# Altium PCB SysUprTestUUUp.PcbDoc (part 1 of 4)
Units mm, origin at the board's own origin, x right, y up, seen from the top; angles counter-clockwise.
Board outline 140.1 x 94.7 mm, 4 copper layers (Top Layer, Mid-Layer 1, Mid-Layer 2, Bottom Layer), stack 1.572 mm thick; 296 components, 295 nets, 1339 pads, 437 vias.
Unrouted connection lines stored in the file: 160.
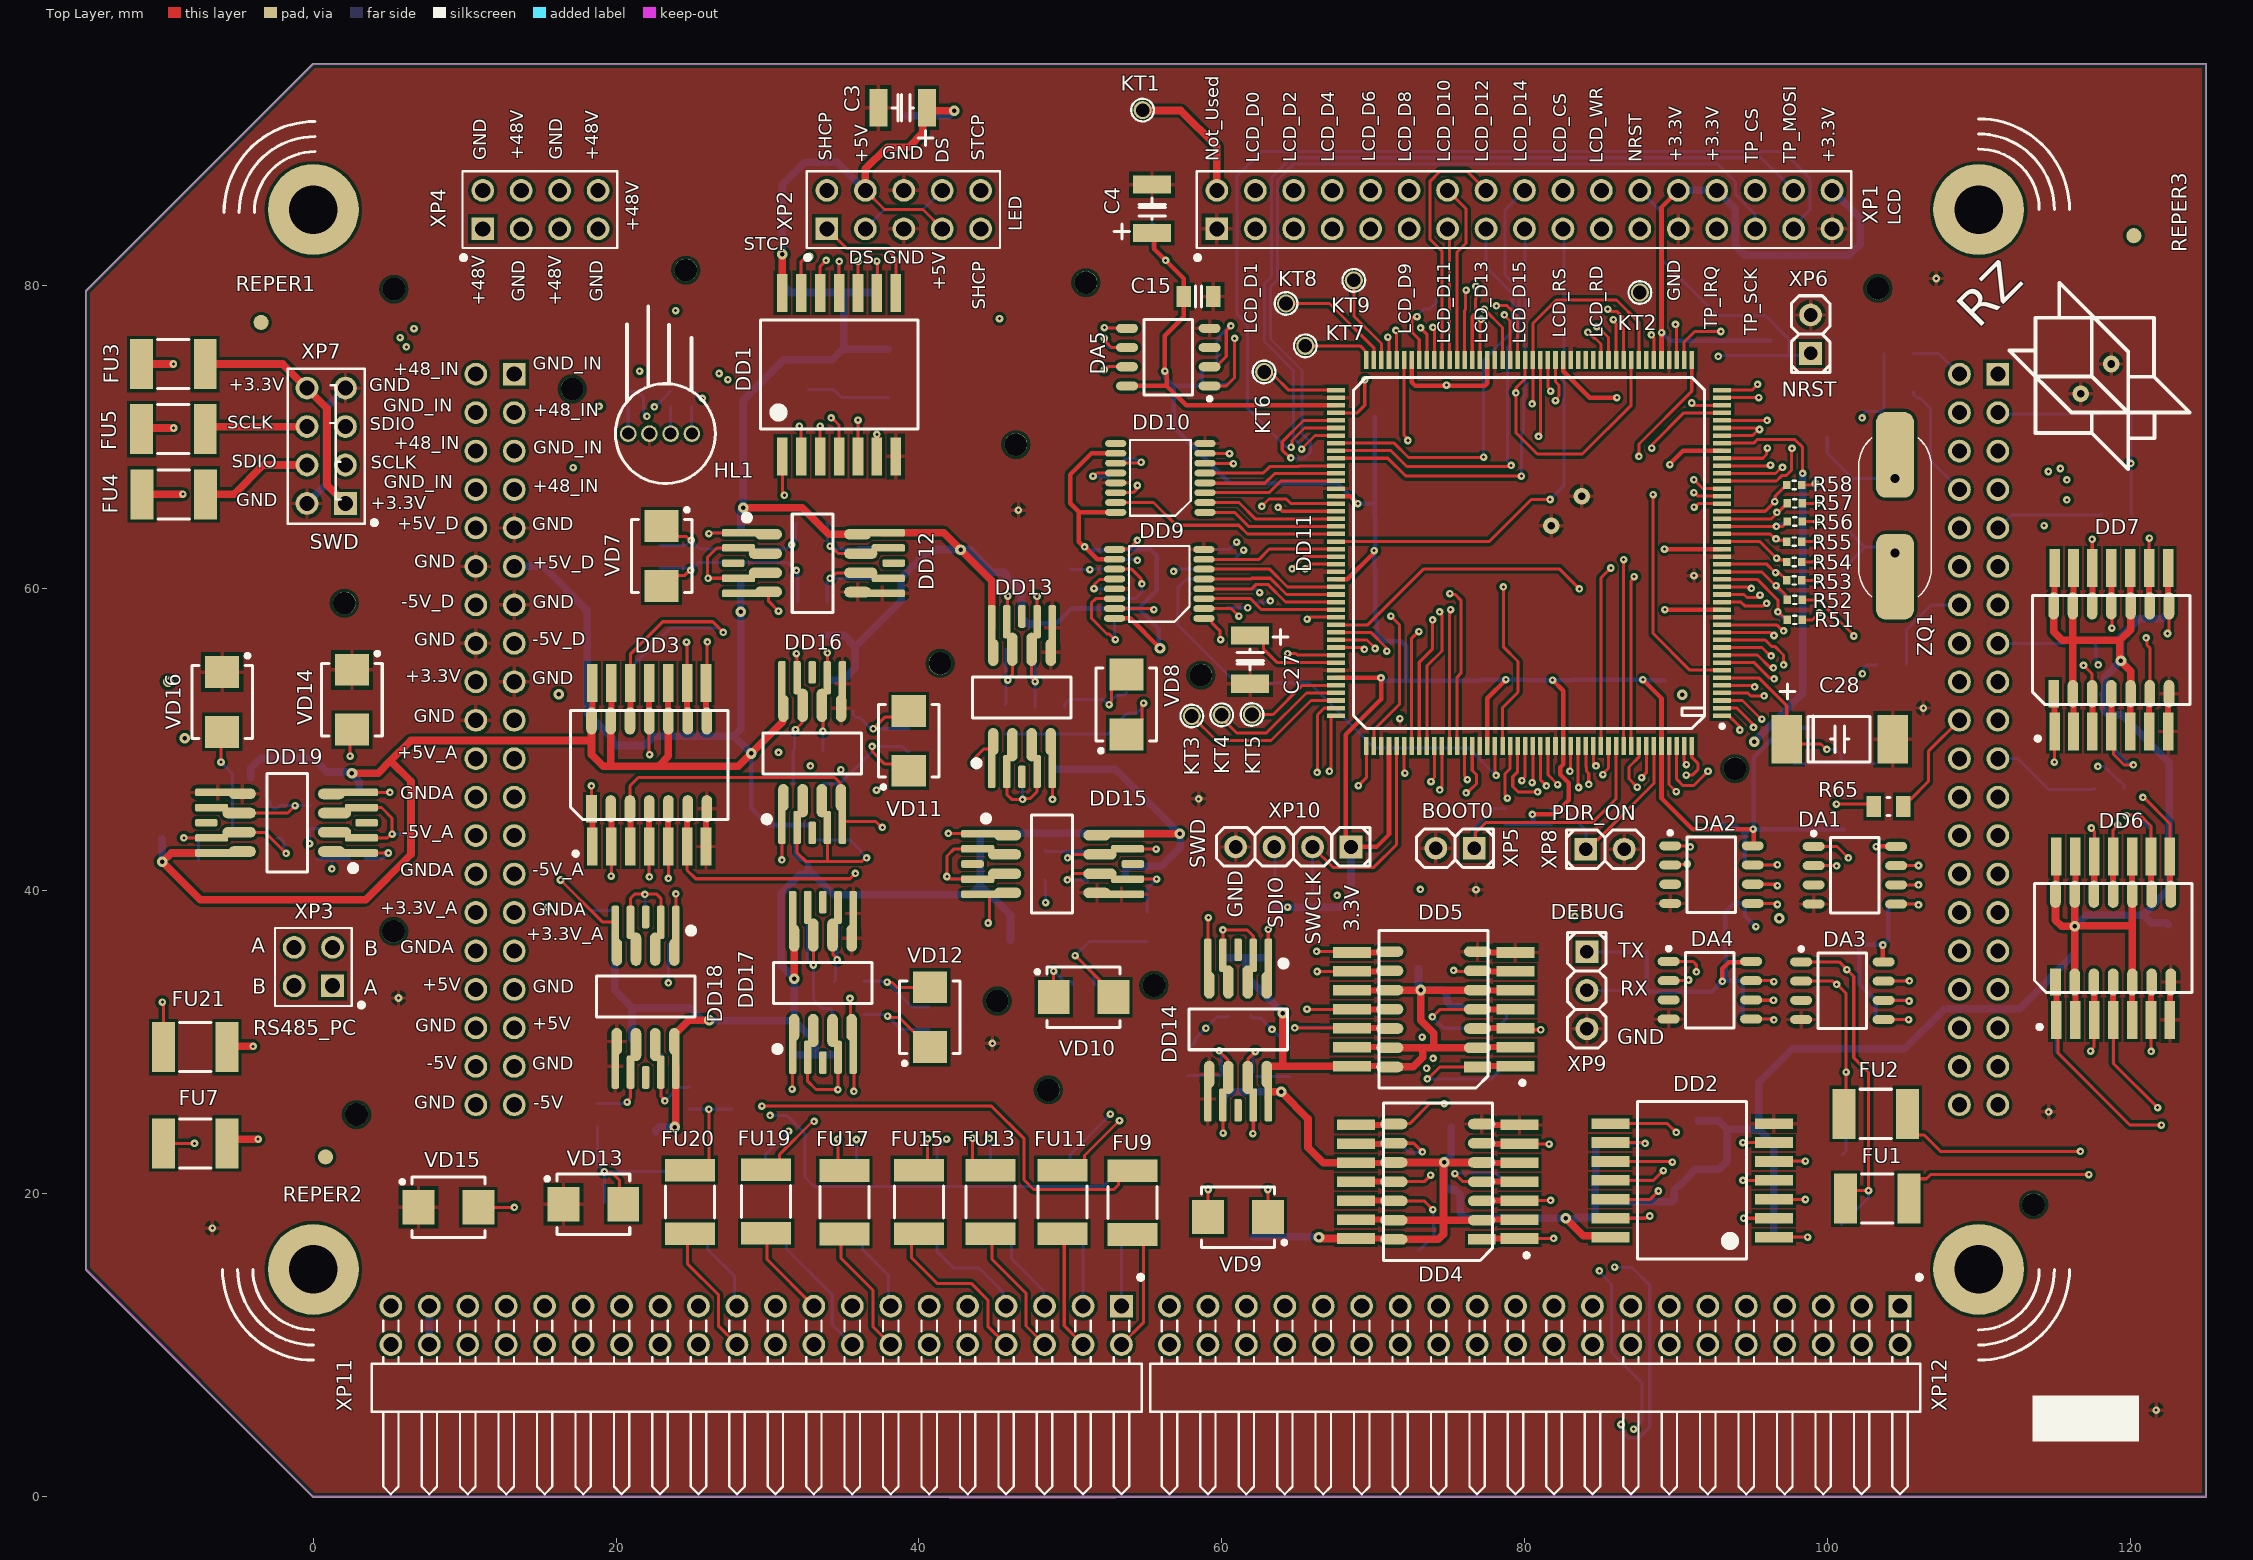
[diagram p0: Top Layer view]
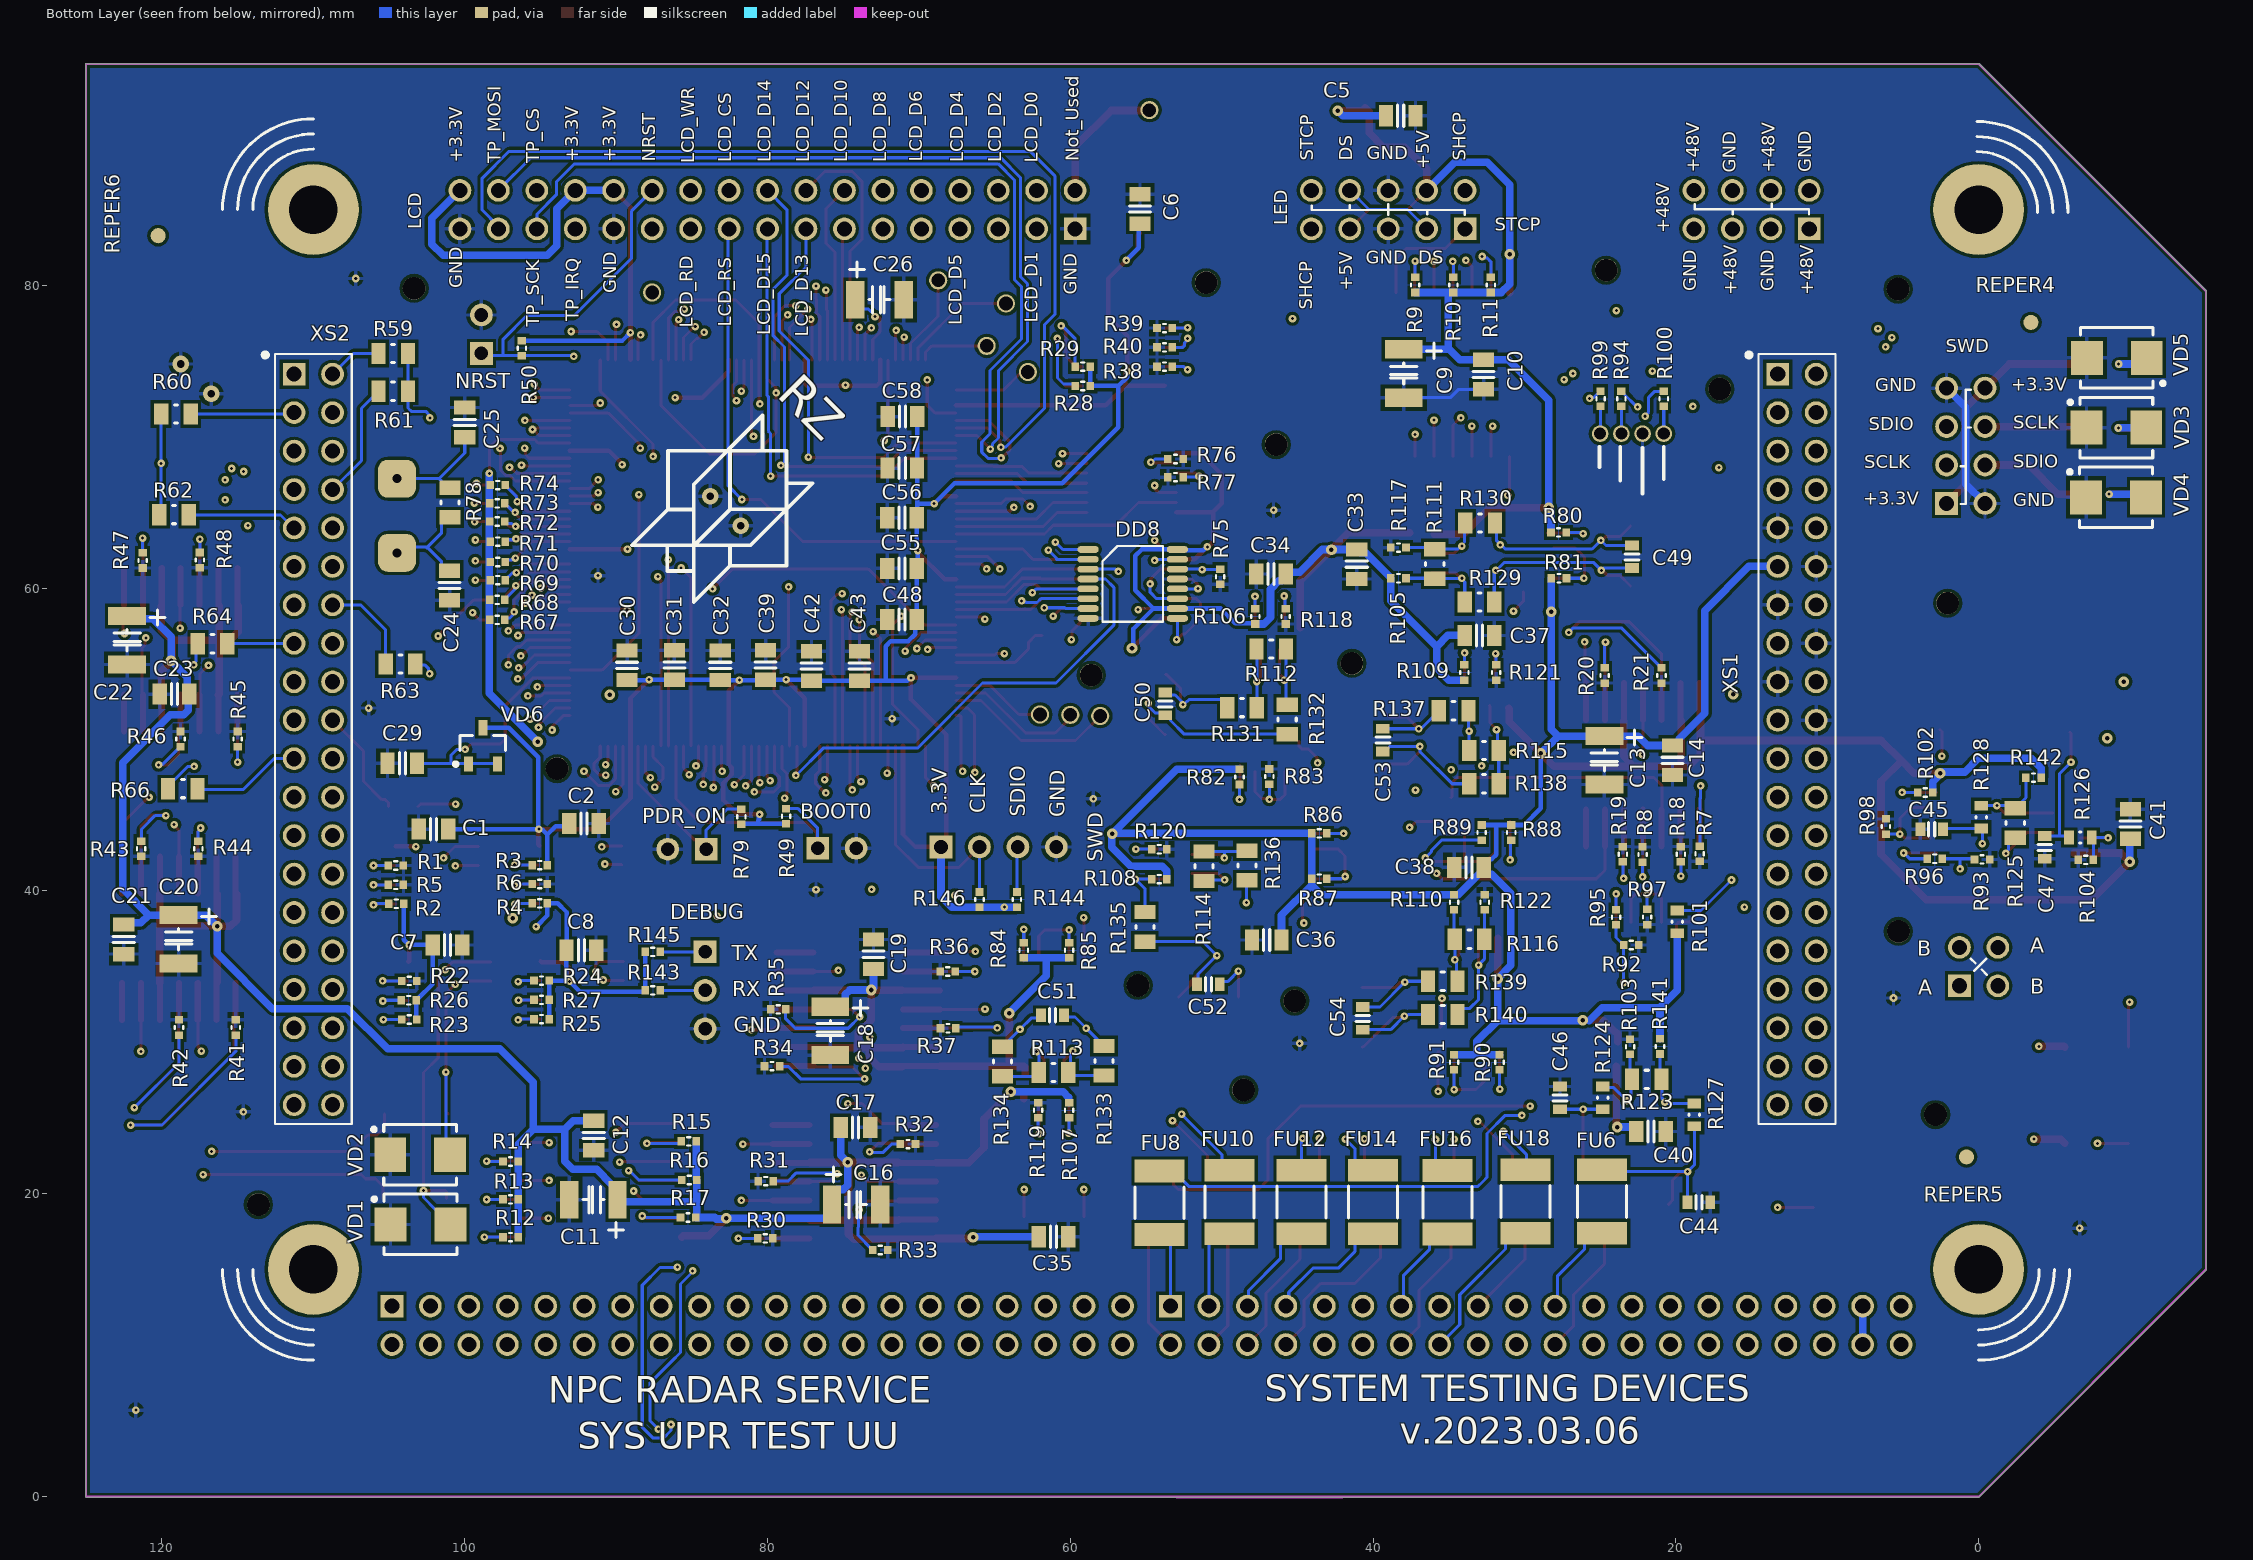
[diagram p1: Bottom Layer view, seen from below]
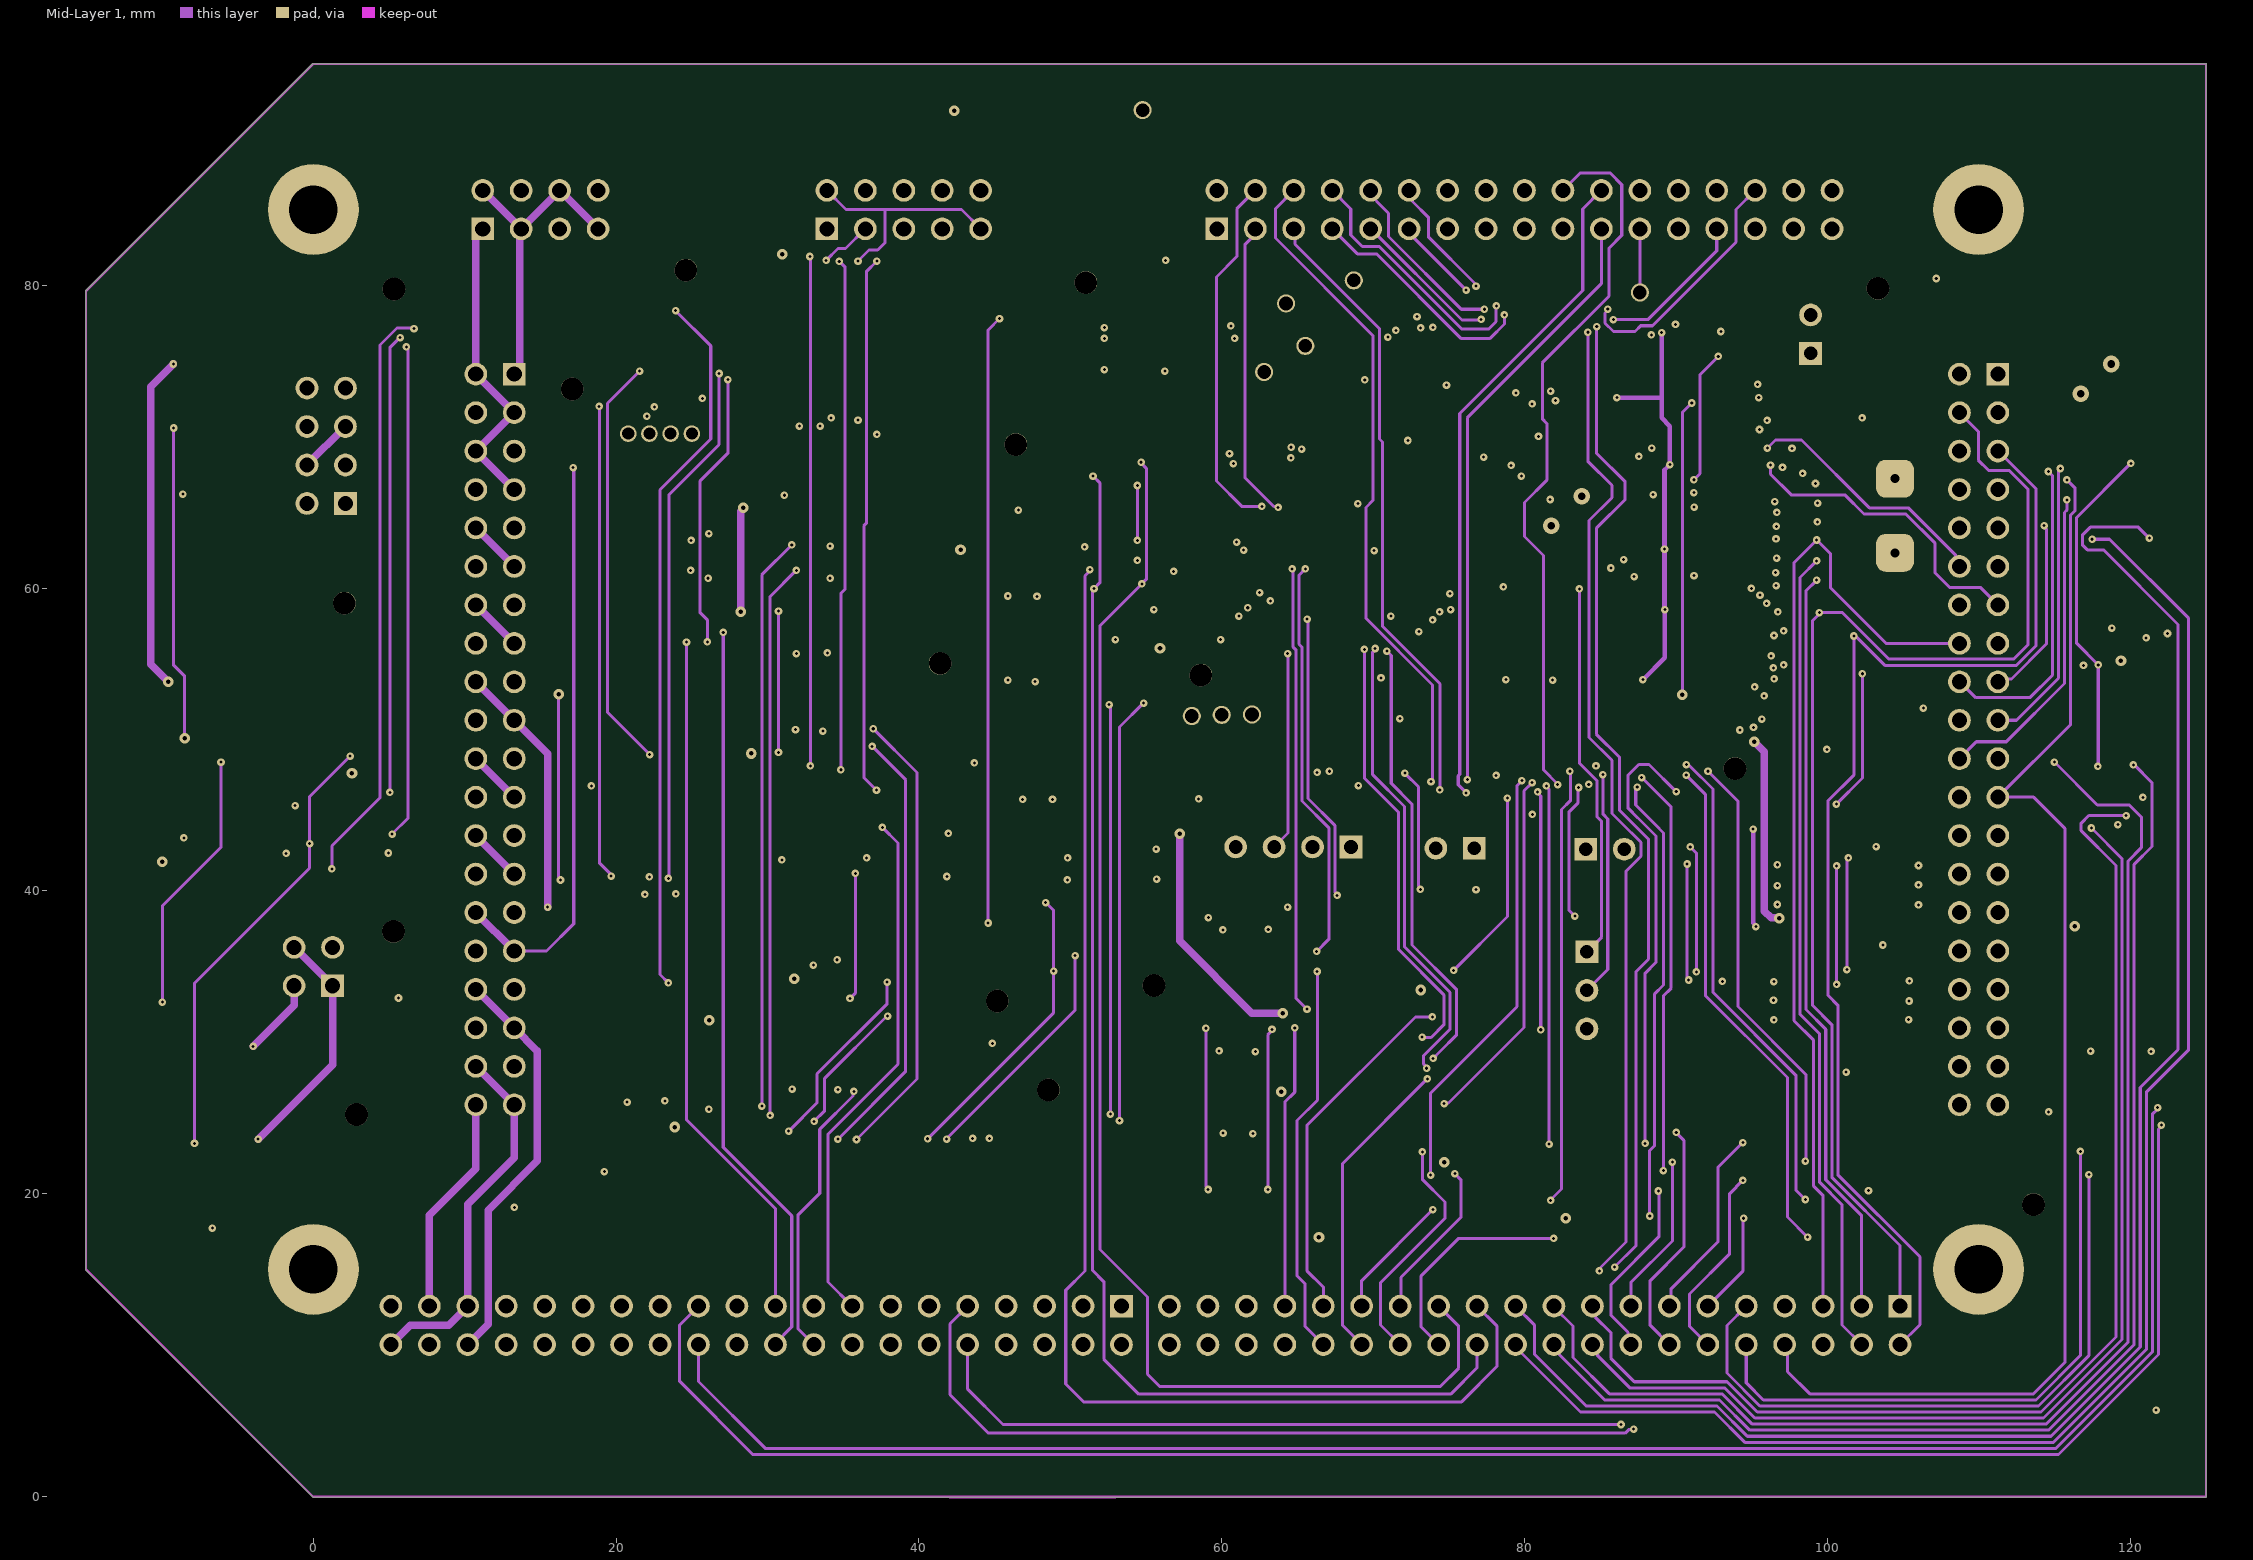
[diagram p2: Mid-Layer 1]
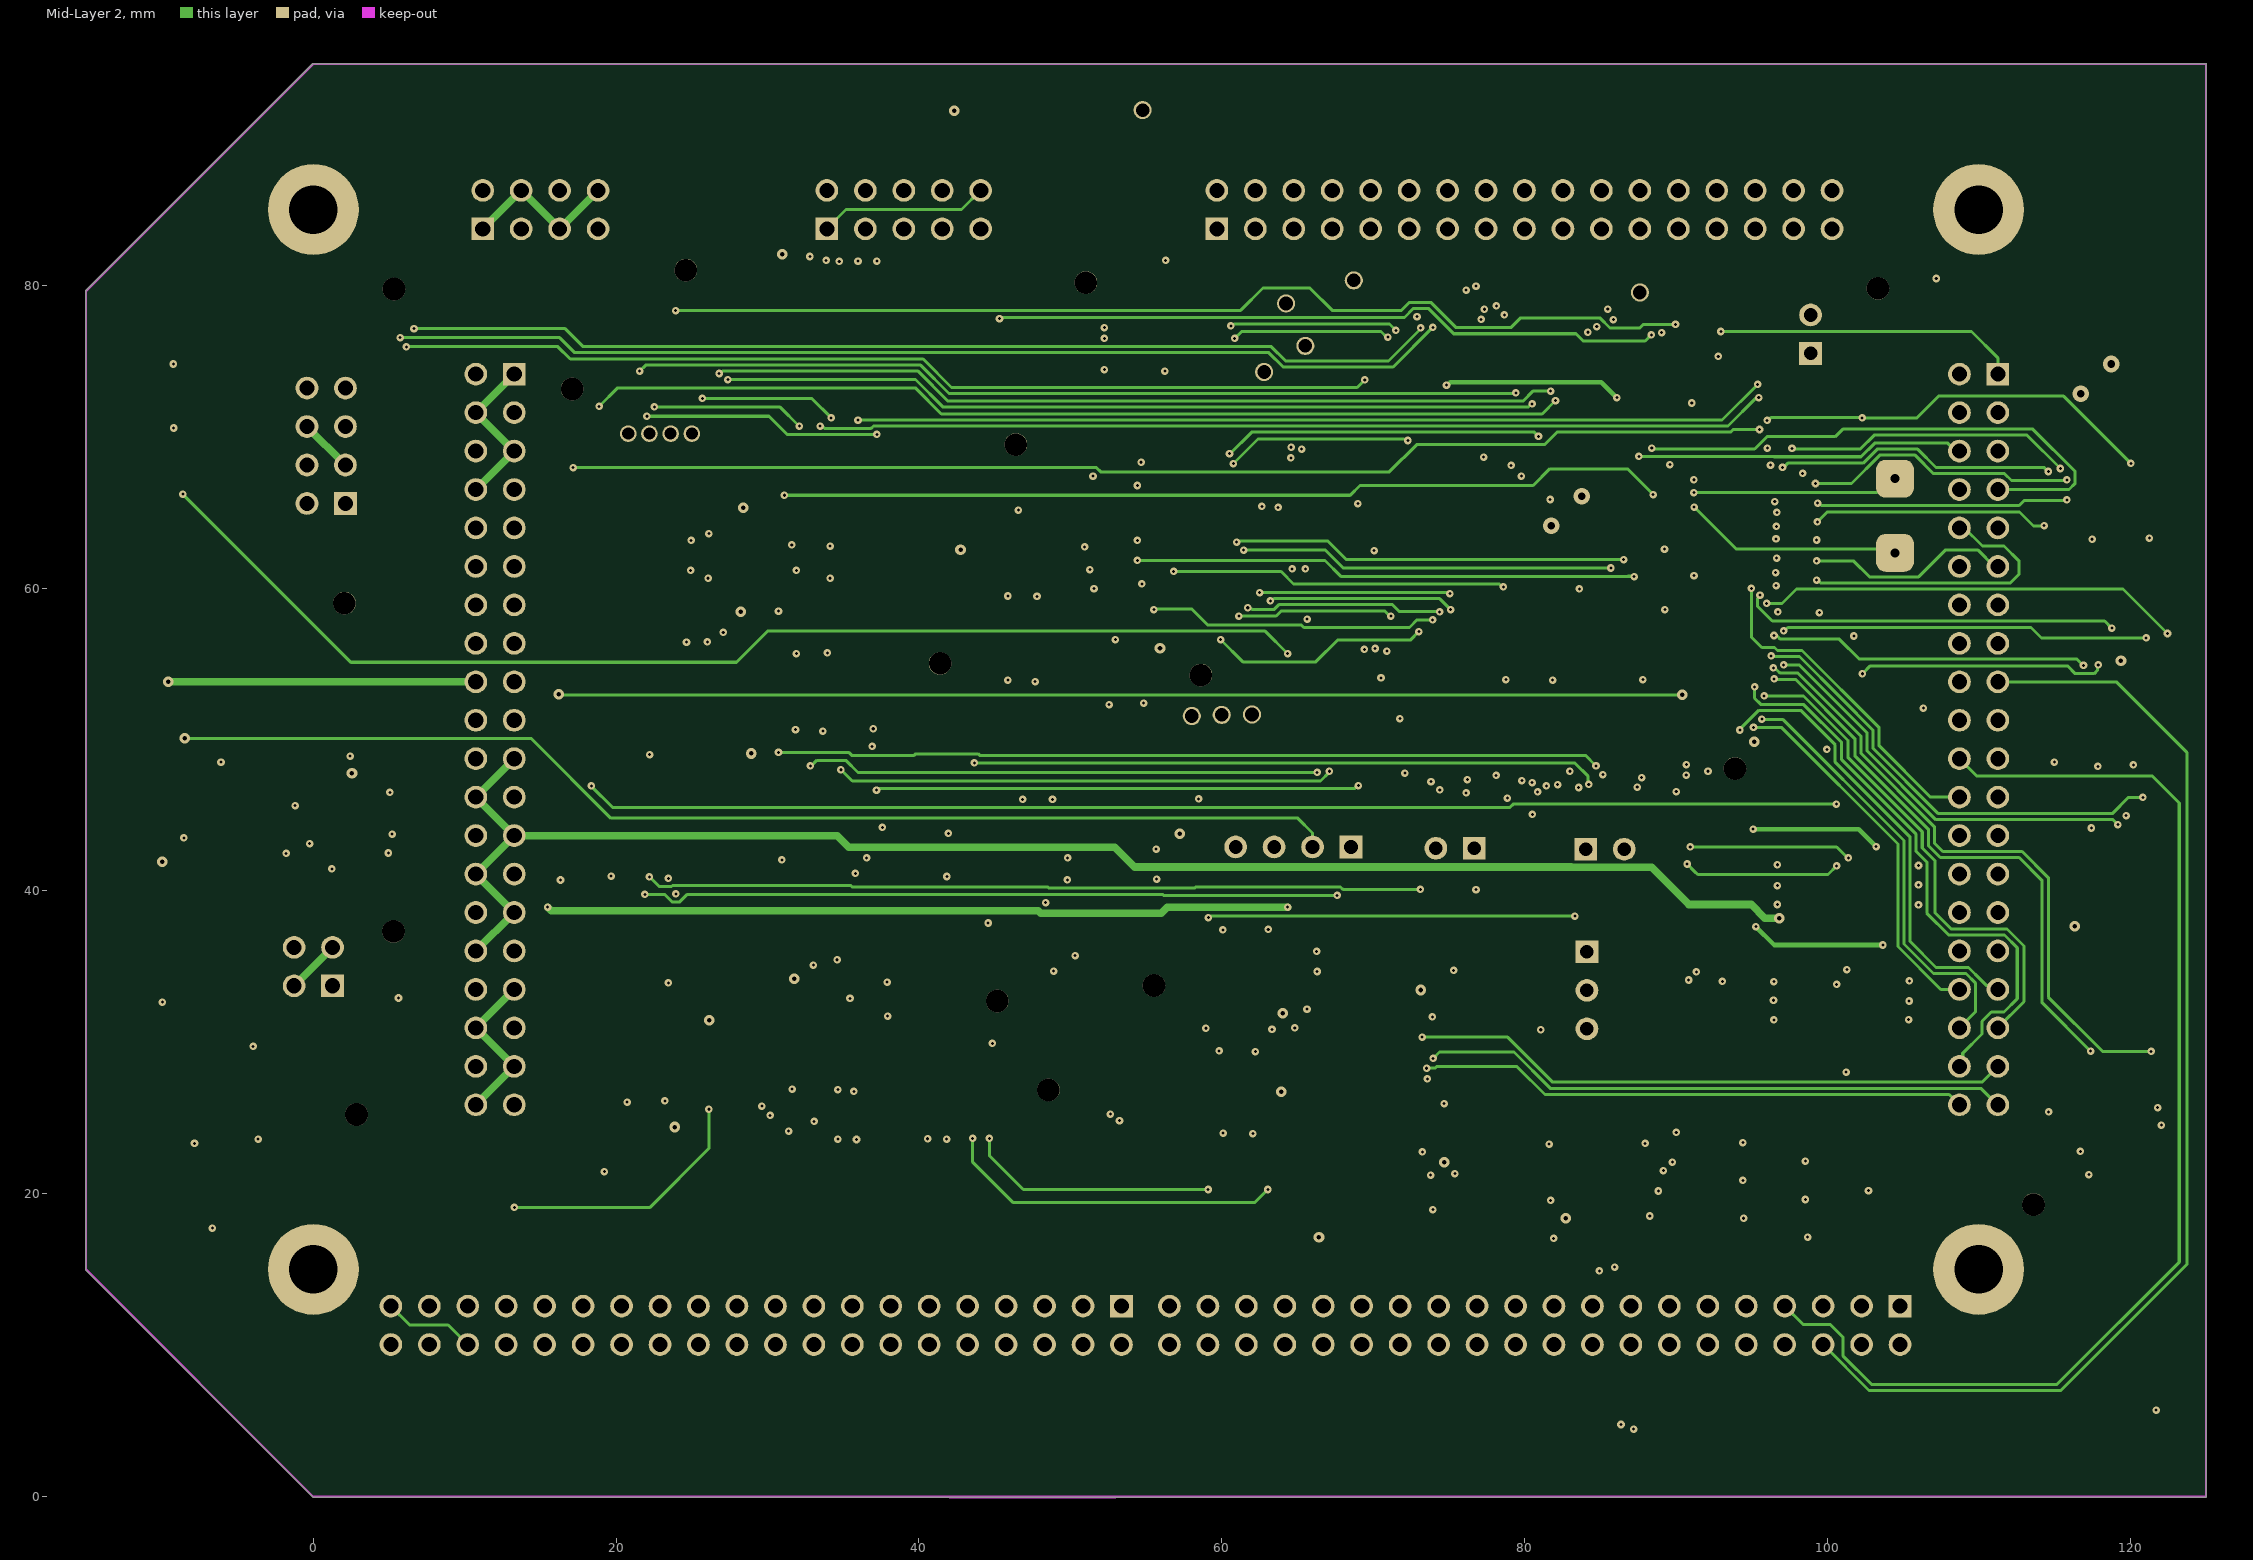
[diagram p3: Mid-Layer 2]

## Layer stack, top to bottom
Top Solder: solder mask 0.0102, Solder Resist, Dk 3.5
Top Layer: signal copper 0.018
Dielectric 1: dielectric 0.5, FR-4, Dk 4.8
Mid-Layer 1: signal copper 0.018
Dielectric2: dielectric 0.5, FR-4, Dk 4.8
Mid-Layer 2: signal copper 0.018
Dielectric3: dielectric 0.5, FR-4, Dk 4.8
Bottom Layer: signal copper 0.018
Bottom Solder: solder mask 0.0102, Solder Resist, Dk 3.5

## Board outline
-15.035,14.964 cw(c-15,15) -15.05,15 -15.05,79.6 cw(c-15,79.6) -15.035,79.636 -15.036,79.636 -0.035,94.636 -0.036,94.635 cw(c0,94.6) 0,94.65 125,94.65 cw(c125,94.6) 125.05,94.6 cw(c125,94.6) 125.049,94.588 cw(c125,94.575) 125.05,94.575 125.05,0.001 125.05,0 cw(c125,0) 125,-0.05 0,-0.05 cw(c0,0) -0.036,-0.035 -0.036,-0.036

## Design rules (kind name [scope] priority, off if disabled: settings)
Clearance "2_Clearance REP" [InComponent('REP1')or InComponent('REP2') or InComponent('REP3') or InComponent('REP4') or InComponent('REP5')or InComponent('REP6') vs InPoly] p1: gap=1 ignorepadtopadclearanceinfootprint=FALSE
Clearance 1Clearance [All] p2: gap=0.2 ignorepadtopadclearanceinfootprint=FALSE
PolygonConnect [All] p1: connectstyle=Relief reliefconductorwidth=0.254 reliefentries=4 polygonreliefangle="90 Angle" airgapwidth=0.254
RoutingVias [All] p1: holewidth=0.3 width=0.7 viastyle="Through Hole" minholewidth=0.2 minwidth=0.5 maxholewidth=0.5 maxwidth=1.1
SolderMaskExpansion [All] p1: expansion=0.102 istentingtop=FALSE
Width [All] p1: maxlimit=0.5 minlimit=0.2 preferedwidth=0.3
30 further rules are at their usual default settings.

## Components (designator, comment, footprint, x,y, rotation, side; value= is the part's Value field where it differs from the comment)
C1 "Capacitor" Cap0805 102.075,44.076 r90 bottom value=0,1мкФ
C2 "Capacitor" Cap0805 92.125,44.45 r270 bottom value=0,1мкФ
C3 "PolCap" CapCaseB 38.925,91.725 r90 top value=4,7мк
C4 "PolCap" CapCaseB 55.4,85.05 r0 top value=4,7мк
C5 "Capacitor" Cap0805 38.175,91.2 r90 bottom value=0,1мк
C6 "Capacitor" Cap0805 55.4,85.05 r0 bottom value=0,1мк
C7 "Capacitor" Cap0805 101.15,36.426 r270 bottom value=0,1мкФ
C8 "Capacitor" Cap0805 92.3,36.075 r270 bottom value=0,1мкФ
C9 "PolCap" CapCaseB 37.975,74.175 r0 bottom value=4,7мк
C10 "Capacitor" Cap0805 32.7,74.1 r180 bottom value=0,1мк
C11 "PolCap" CapCaseB 91.5,19.6 r90 bottom value=4,7мк
C12 "Capacitor" Cap0805 91.475,23.85 r180 bottom value=0,1мк
C13 "PolCap" CapCaseB 24.725,48.625 r0 bottom value=4,7мк
C14 "Capacitor" Cap0805 20.225,48.625 r180 bottom value=0,1мк
C15 "Capacitor" Cap0805 58.475,79.259 r270 top value=0,1мкФ
C16 "PolCap" CapCaseB 74.15,19.275 r270 bottom value=4,7мк
C17 "Capacitor" Cap0805 74.2,24.375 r90 bottom value=0,1мк
C18 "PolCap" CapCaseB 75.854,30.75 r0 bottom value=4,7мк
C19 "Capacitor" Cap0805 73,35.813 r0 bottom value=0,1мк
C20 "PolCap" CapCaseB 118.9,36.8 r0 bottom value=4,7мк
C21 "Capacitor" Cap0805 122.525,36.8 r180 bottom value=0,1мк
C22 "PolCap" CapCaseB 122.3,56.55 r0 bottom value=4,7мк
C23 "Capacitor" Cap0805 119.175,52.996 r270 bottom value=0,1мк
C24 "Capacitor" Cap0805 101,60.175 r0 bottom value=16
C25 "Capacitor" Cap0805 100,70.95 r180 bottom value=16
C26 "PolCap" CapCaseB 72.6,79.05 r270 bottom value=2,2мк
C27 "PolCap" CapCaseB 61.875,55.275 r180 top value=2,2мк
C28 "PolCap" CapCaseD 100.825,50.025 r270 top value=330мк
C29 "Capacitor" Cap0805 104.125,48.425 r90 bottom value=0,1мкФ
C30 "Capacitor" Cap0805 89.275,54.9 r180 bottom value=0,1мк
C31 "Capacitor" Cap0805 86.15,54.925 r180 bottom value=0,1мк
C32 "Capacitor" Cap0805 83.125,54.9 r180 bottom value=0,1мк
C33 "Capacitor" Cap0805 41.075,61.575 r180 bottom value=0,1мк
C34 "Capacitor" Cap0805 46.75,60.925 r270 bottom value=0,1мк
C35 "Capacitor" Cap0805 61.1,17.15 r90 bottom value=0,1мк
C36 "Capacitor" Cap0805 47.025,36.75 r270 bottom value=0,1мк
C37 "Capacitor" Cap0805 32.975,56.871 r90 bottom value=0,1мк
C38 "Capacitor" Cap0805 33.675,41.55 r270 bottom value=0,1мк
C39 "Capacitor" Cap0805 80.125,54.925 r180 bottom value=0,1мк
C40 "Capacitor" Cap0805 21.65,24.1 r270 bottom value=0,1мк
C41 "Capacitor" Cap0805 -10.025,44.425 r180 bottom value=0,1мк
C42 "Capacitor" Cap0805 77.1,54.85 r180 bottom value=0,1мк
C43 "Capacitor" Cap0805 73.925,54.85 r180 bottom value=0,1мк
C44 "Capacitor" Cap0603 18.475,19.425 r270 bottom value=10
C45 "Capacitor" Cap0603 3.1,44.075 r90 bottom value=10
C46 "Capacitor" Cap0603 27.65,26.325 r180 bottom value=10
C47 "Capacitor" Cap0603 -4.371,42.875 r0 bottom value=10
C48 "Capacitor" Cap0805 71.125,57.925 r90 bottom value=0,1мк
C49 "Capacitor" Cap0603 22.9,62.066 r180 bottom value=10
C50 "Capacitor" Cap0603 53.725,52.35 r0 bottom value=10
C51 "Capacitor" Cap0603 61.175,31.775 r90 bottom value=10
C52 "Capacitor" Cap0603 50.883,33.825 r270 bottom value=10
C53 "Capacitor" Cap0603 39.35,49.959 r0 bottom value=10
C54 "Capacitor" Cap0603 40.679,31.579 r0 bottom value=10
C55 "Capacitor" Cap0805 71.125,61.3 r90 bottom value=0,1мк
C56 "Capacitor" Cap0805 71.125,64.65 r90 bottom value=0,1мк
C57 "Capacitor" Cap0805 71.1,67.925 r90 bottom value=0,1мк
C58 "Capacitor" Cap0805 71.075,71.325 r90 bottom value=0,01мк
DA1 "LM75AD" SO8 101.825,41.032 r0 top
DA2 "LM75AD" SO8 92.35,41.072 r0 top
DA3 "LM75AD" SO8 101,33.404 r0 top
DA4 "LM75AD" SO8 92.246,33.434 r0 top
DA5 "LM75AD" SO8 56.475,75.255 r180 top
DD1 "1533LN1" 401.14-5 34.725,74.1 r90 top
DD2 "1533LN1" 401.14-5 91.075,20.875 r180 top
DD3 "1554LI1" 401.14-5_SO14#1 22.185,48.325 r90 top
DD4 "1554LI1" 401.14-5_SO14#2 74.273,20.788 r180 top
DD5 "1554LI1" 401.14-5_SO14#2 74,32.178 r180 top
DD6 "1554LI1" 401.14-5_SO14#2 118.885,36.875 r90 top
DD7 "1554LI1" 401.14-5_SO14#2 118.765,55.925 r90 top
DD8 "74HC595" TSSOP16 55.875,60.275 r180 bottom
DD9 "74HC595" TSSOP16 55.875,60.275 r180 top
DD10 "74HC595" TSSOP16 55.95,67.275 r180 top
DD11 "STM32F407IGT6" LQFP176 80.3,62.325 r180 top
DD12 "5559IN10U" H02.8-1B_SOIC8 33.034,61.75 r0 top
DD13 "5559IN10U" H02.8-1B_SOIC8 46.705,52.829 r90 top
DD14 "5559IN10U" H02.8-1B_SOIC8 61.184,30.804 r270 top
DD15 "5559IN10U" H02.8-1B_SOIC8 48.834,41.875 r0 top
DD16 "5559IN10U" H02.8-1B_SOIC8 32.85,49.134 r90 top
DD17 "5559IN10U" H02.8-1B_SOIC8 33.554,33.954 r90 top
DD18 "5559IN10U" H02.8-1B_SOIC8 22.05,32.975 r270 top
DD19 "5559IN10U" H02.8-1B_SOIC8 -1.775,44.4 r180 top
FU1 "Predoxranitel" MF-MSMF_1 103.3,19.675 r0 top
FU2 "Predoxranitel" MF-MSMF_1 103.2,25.275 r0 top
FU3 "Predoxranitel" MF-MSMF_1 -9.25,74.8 r0 top